# KiCad board Sound_Detection Bullet Shot.kicad_pcb
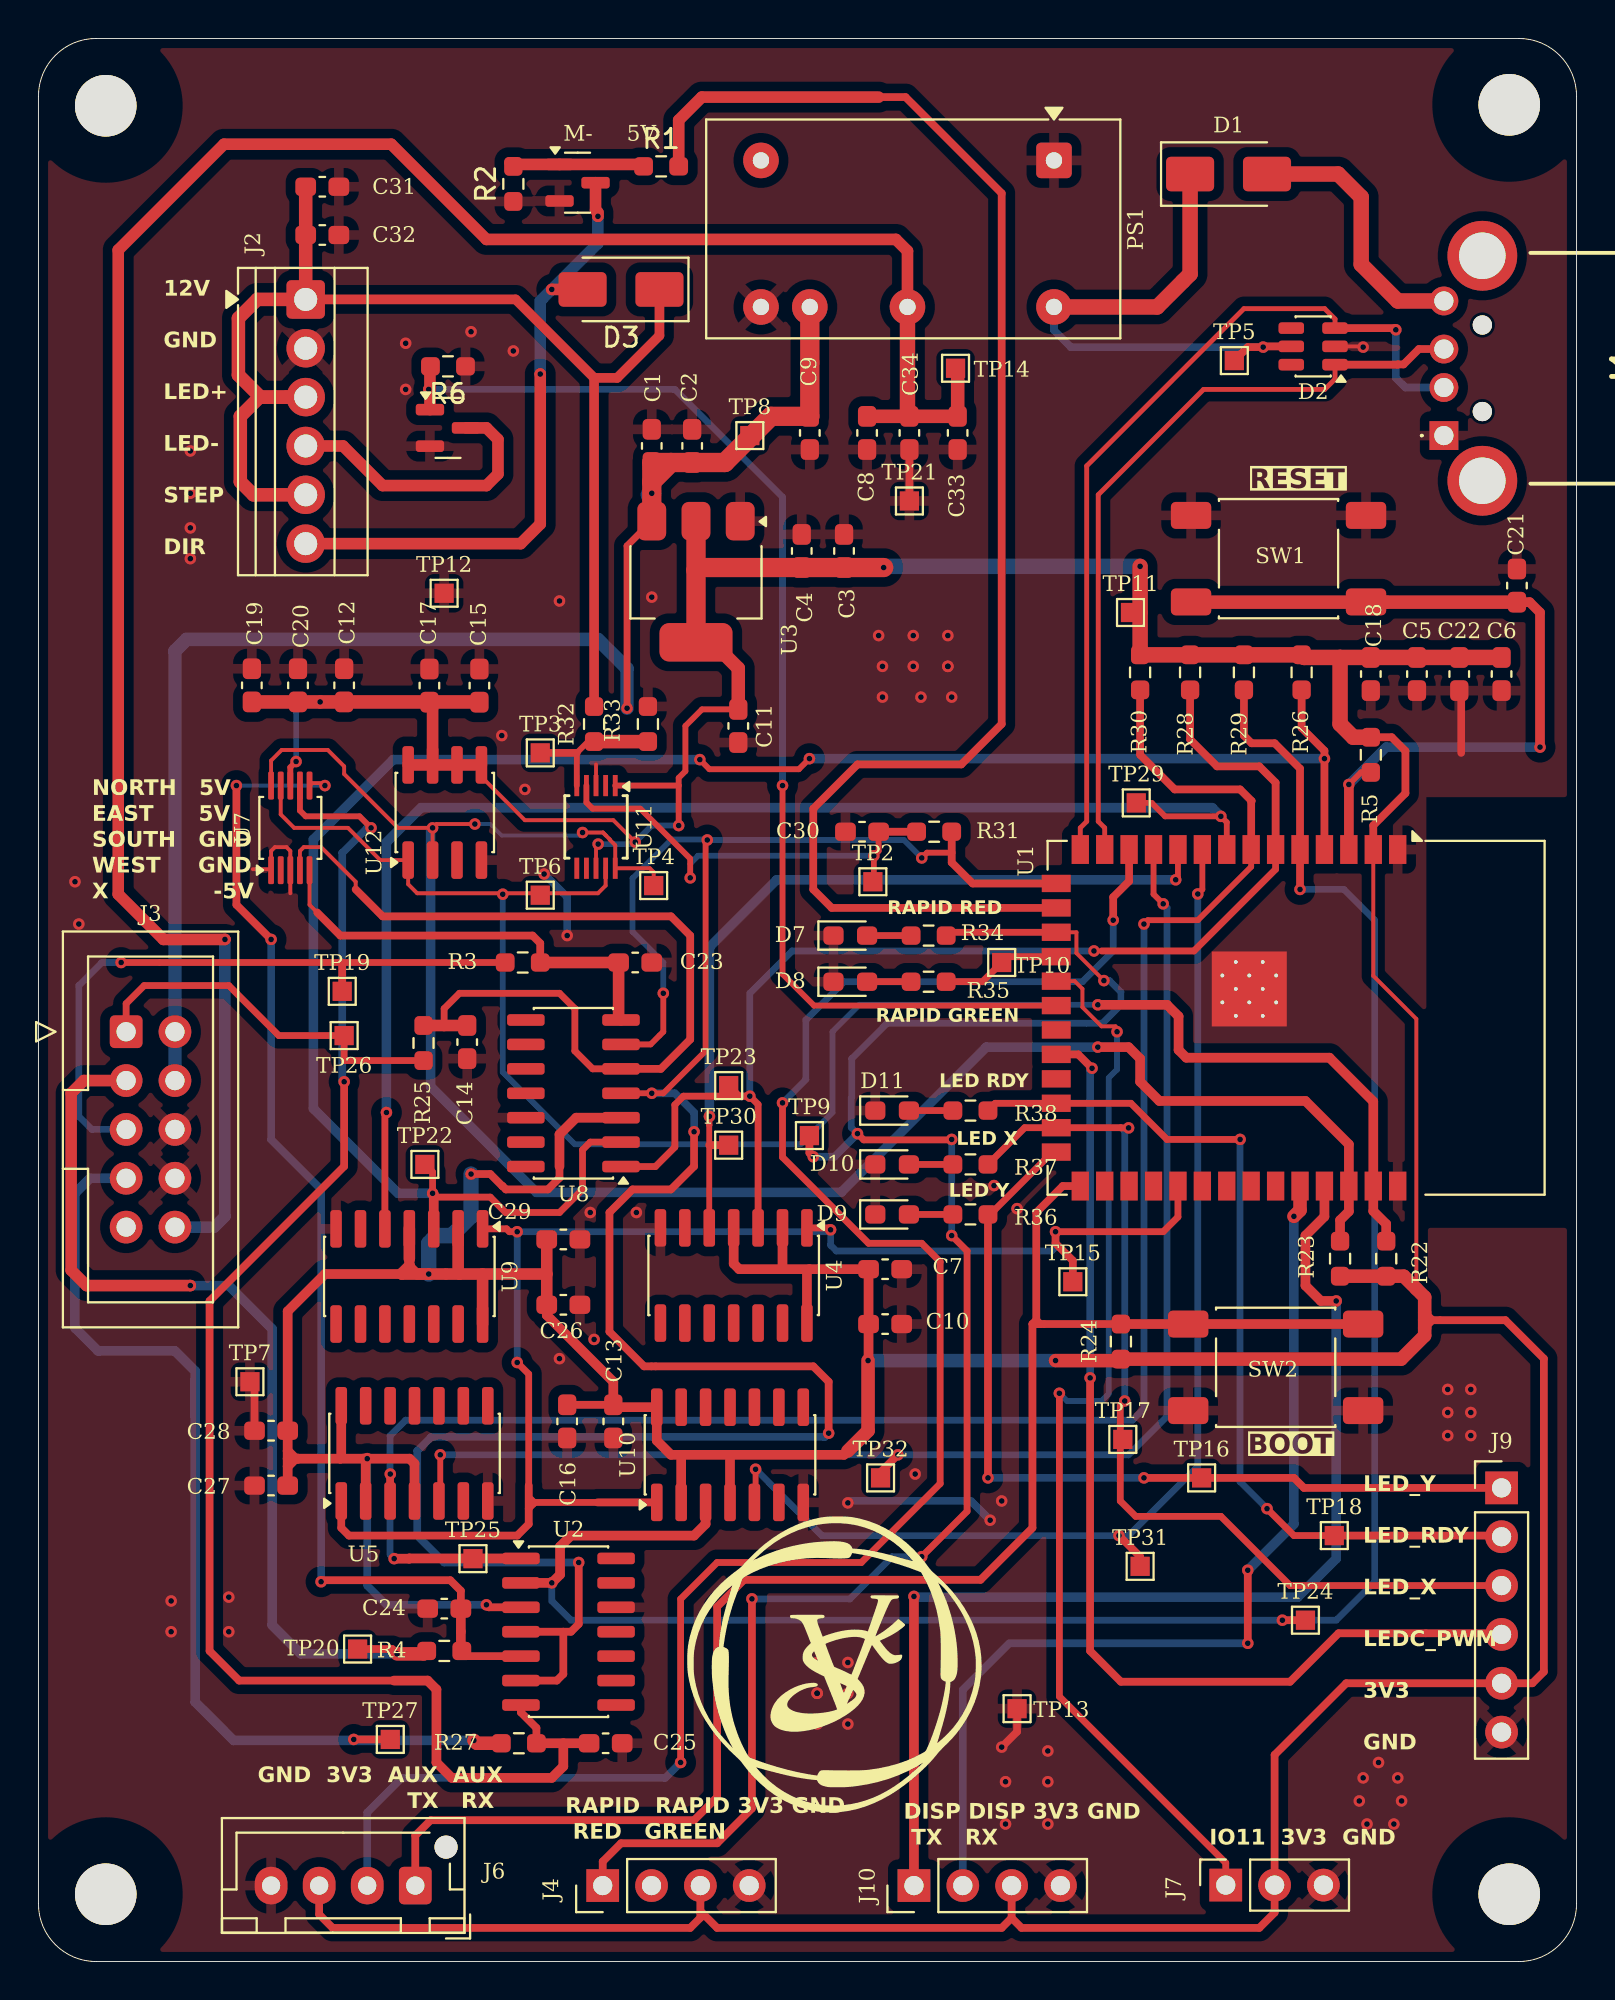
[diagram p0: board, top side]
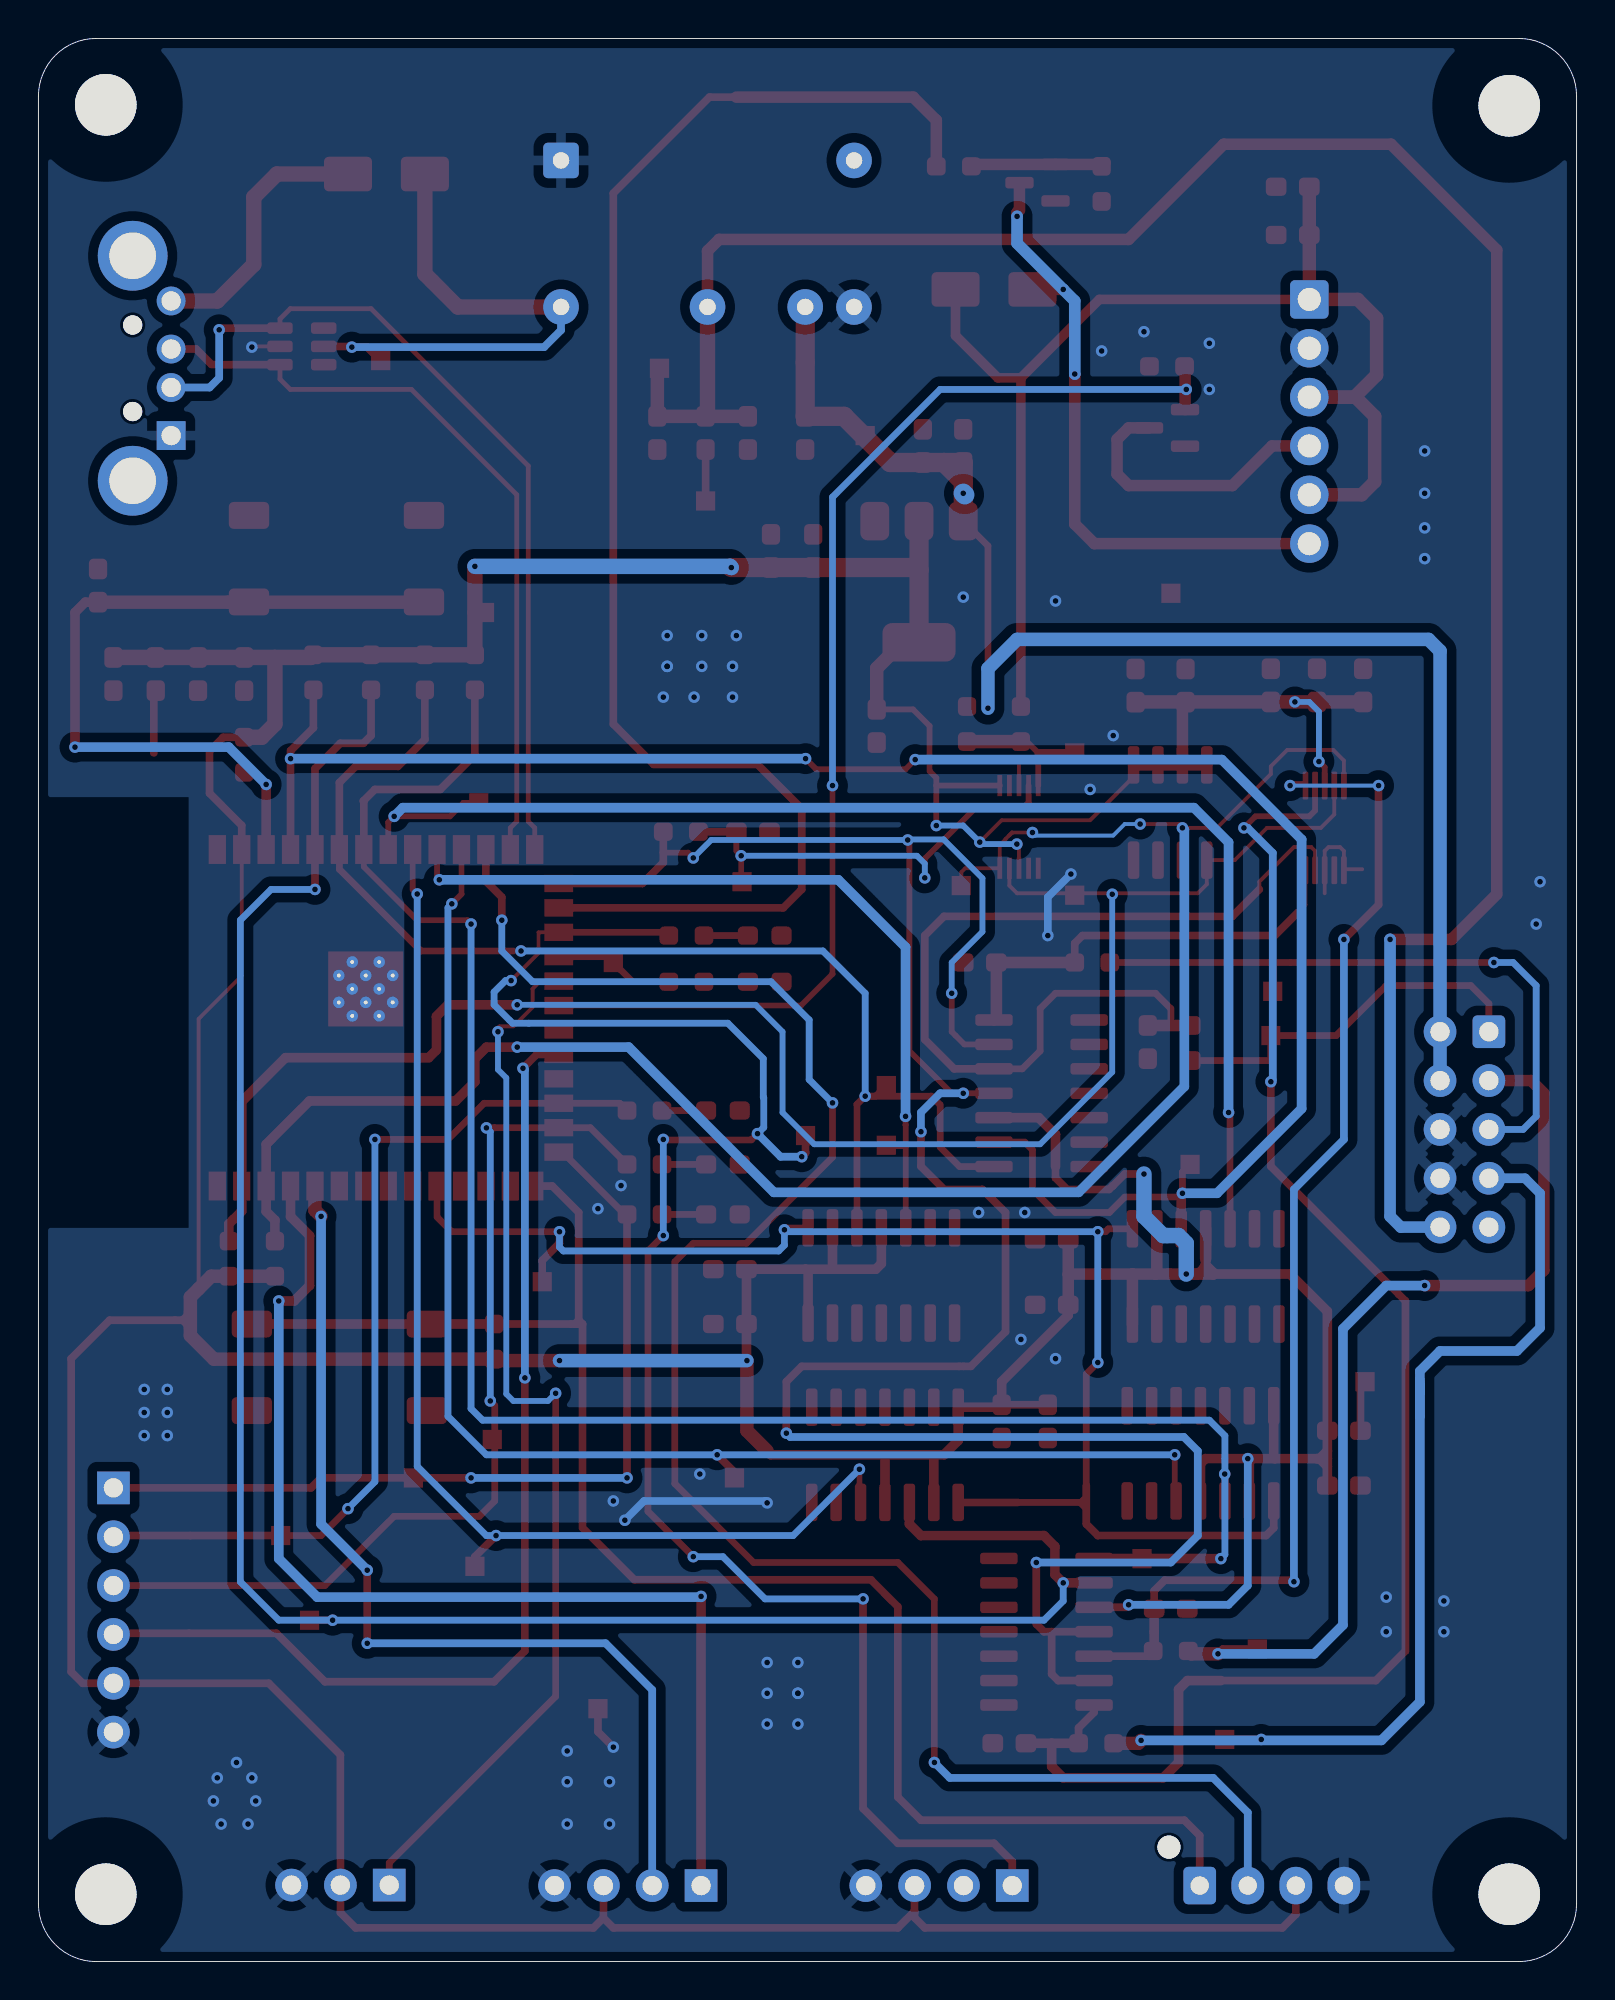
[diagram p1: board, bottom side, seen from below]

Outline 80 x 100 mm; copper layers: Top, Bottom. Coordinates in mm from the lower left corner of the outline.
Outline path: 0,97 arc(0.88,99.12) 3,100 77,100 arc(79.12,99.12) 80,97 80,3 arc(79.12,0.88) 77,0 3,0 arc(0.88,0.88) 0,3 0,97
Stack: Top 0.035mm / dielectric 1.51mm FR4 er 4.5 / Bottom 0.035mm

## Placement (name value [footprint] x y rotation side)
C1  0.1uf  [C_0603_1608Metric_Pad1.08x0.95mm_HandSolder]  31.9 78.81 90 top
C2  10uf  [C_0603_1608Metric_Pad1.08x0.95mm_HandSolder]  34 78.81 90 top
C3  22uf  [C_0603_1608Metric_Pad1.08x0.95mm_HandSolder]  41.9 73.35 90 top
C4  0.1uf  [C_0603_1608Metric_Pad1.08x0.95mm_HandSolder]  39.7 73.35 90 top
C5  10uf  [C_0603_1608Metric_Pad1.08x0.95mm_HandSolder]  71.7 66.95 270 top
C6  0.1uf  [C_0603_1608Metric_Pad1.08x0.95mm_HandSolder]  76.1 66.95 270 top
C7  22uf  [C_0603_1608Metric_Pad1.08x0.95mm_HandSolder]  44.04 36 0 top
C8  10uf  [C_0603_1608Metric_Pad1.08x0.95mm_HandSolder]  43.1 79.49 90 top
C9  10uf  [C_0603_1608Metric_Pad1.08x0.95mm_HandSolder]  40.12 79.49 90 top
C10  0.1uf  [C_0603_1608Metric_Pad1.08x0.95mm_HandSolder]  44.04 33.15 0 top
C11  10uf  [C_0603_1608Metric_Pad1.08x0.95mm_HandSolder]  36.4 64.25 270 top
C12  0.1uf  [C_0603_1608Metric_Pad1.08x0.95mm_HandSolder]  15.9 66.36 90 top
C13  22uf  [C_0603_1608Metric_Pad1.08x0.95mm_HandSolder]  29.9 28.09 270 top
C14  10nf  [C_0603_1608Metric_Pad1.08x0.95mm_HandSolder]  22.3 47.81 90 top
C15  10uf  [C_0603_1608Metric_Pad1.08x0.95mm_HandSolder]  22.93 66.35 90 top
C16  0.1uf  [C_0603_1608Metric_Pad1.08x0.95mm_HandSolder]  27.5 28.09 270 top
C17  0.1uf  [C_0603_1608Metric_Pad1.08x0.95mm_HandSolder]  20.34 66.35 90 top
C18  22uf  [C_0603_1608Metric_Pad1.08x0.95mm_HandSolder]  69.3 66.95 270 top
C19  10uf  [C_0603_1608Metric_Pad1.08x0.95mm_HandSolder]  11.1 66.36 90 top
C20  0.1uf  [C_0603_1608Metric_Pad1.08x0.95mm_HandSolder]  13.5 66.36 90 top
C21  0.1uf  [C_0603_1608Metric_Pad1.08x0.95mm_HandSolder]  76.9 71.55 90 top
C22  0.1uf  [C_0603_1608Metric_Pad1.08x0.95mm_HandSolder]  73.9 66.95 270 top
C23  10nf  [C_0603_1608Metric_Pad1.08x0.95mm_HandSolder]  31.04 51.95 180 top
C24  10nf  [C_0603_1608Metric_Pad1.08x0.95mm_HandSolder]  21.11 18.35 0 top
C25  10nf  [C_0603_1608Metric_Pad1.08x0.95mm_HandSolder]  29.5 11.35 180 top
C26  22uf  [C_0603_1608Metric_Pad1.08x0.95mm_HandSolder]  27.3 34.15 0 top
C27  0.1uf  [C_0603_1608Metric_Pad1.08x0.95mm_HandSolder]  12.1 24.75 180 top
C28  22uf  [C_0603_1608Metric_Pad1.08x0.95mm_HandSolder]  12.1 27.6 180 top
C29  0.1uf  [C_0603_1608Metric_Pad1.08x0.95mm_HandSolder]  27.3 37.55 0 top
C30  10nf  [C_0603_1608Metric_Pad1.08x0.95mm_HandSolder]  42.84 58.75 0 top
C31  10uf  [C_0603_1608Metric_Pad1.08x0.95mm_HandSolder]  14.76 92.29 0 top
C32  0.1uf  [C_0603_1608Metric_Pad1.08x0.95mm_HandSolder]  14.76 89.78 0 top
C33  22uf  [C_0603_1608Metric_Pad1.08x0.95mm_HandSolder]  47.81 79.49 270 top
C34  0.1uf  [C_0603_1608Metric_Pad1.08x0.95mm_HandSolder]  45.3 79.49 270 top
D1  SS14  [D_SMA]  61.9 92.95 0 top
D2  SRV05-4  [TSOT-23-6]  66.3 83.99 180 top
D3  SS14  [D_SMA]  30.3 86.95 180 top
D7  RED_LED  [LED_0603_1608Metric_Pad1.05x0.95mm_HandSolder]  42.23 53.35 0 top
D8  GREEN_LED  [LED_0603_1608Metric_Pad1.05x0.95mm_HandSolder]  42.23 50.95 0 top
D9  WHITE_LED  [LED_0603_1608Metric_Pad1.05x0.95mm_HandSolder]  44.4 38.85 0 top
D10  RED_LED  [LED_0603_1608Metric_Pad1.05x0.95mm_HandSolder]  44.4 41.45 0 top
D11  GREEN_LED  [LED_0603_1608Metric_Pad1.05x0.95mm_HandSolder]  44.4 44.25 0 top
G***  -  [LOGO]  41.4 15.66 0 top
H1  MountingHole  [MountingHole_3.2mm_M3]  76.5 96.55 0 top
H2  MountingHole  [MountingHole_3.2mm_M3]  3.5 96.5 0 top
H3  MountingHole  [MountingHole_3.2mm_M3]  3.5 3.5 0 top
H4  MountingHole  [MountingHole_3.2mm_M3]  76.5 3.5 0 top
J1  UP2-AH-4-TH  [UP2AH4TH]  73.1 79.35 90 top
J2  Conn_01x06_Socket  [TerminalBlock_Xinya_XY308-2.54-6P_1x06_P2.54mm_Horizontal]  13.9 86.43 270 top
J3  Conn_02x05_Top_Bottom  [IDC-Header_2x05_P2.54mm_Vertical]  4.56 48.35 0 top
J4  Conn_01x04_Socket  [PinHeader_1x04_P2.54mm_Vertical]  29.35 3.95 90 top
J6  Conn_01x04_Socket  [JST_XH_B4B-XH-AM_1x04_P2.50mm_Vertical]  19.6 3.95 180 top
J7  Conn_01x03_Socket  [PinSocket_1x03_P2.54mm_Vertical]  61.76 3.97 90 top
J9  Conn_01x06_Socket  [PinHeader_1x06_P2.54mm_Vertical]  76.1 24.63 0 top
J10  Conn_01x04_Socket  [PinHeader_1x04_P2.54mm_Vertical]  45.54 3.95 90 top
PS1  IA0505D  [Converter_DCDC_XP_POWER-IAxxxxD_THT]  52.82 93.66 270 top
Q1  AO3400  [SOT-23]  28.04 92.5 0 top
Q2  AO3400  [SOT-23]  21.3 79.75 0 top
R1  100R  [R_0603_1608Metric_Pad0.98x0.95mm_HandSolder]  32.39 93.35 0 top
R2  10K  [R_0603_1608Metric_Pad0.98x0.95mm_HandSolder]  24.7 92.44 90 top
R3  10k  [R_0603_1608Metric_Pad0.98x0.95mm_HandSolder]  25.19 51.95 0 top
R4  10k  [R_0603_1608Metric_Pad0.98x0.95mm_HandSolder]  21.11 16.15 0 top
R5  10K  [R_0603_1608Metric_Pad0.98x0.95mm_HandSolder]  69.3 62.75 270 top
R6  10K  [R_0603_1608Metric_Pad0.98x0.95mm_HandSolder]  21.3 82.95 180 top
R22  4.7K  [R_0603_1608Metric_Pad0.98x0.95mm_HandSolder]  70.1 36.55 270 top
R23  4.7K  [R_0603_1608Metric_Pad0.98x0.95mm_HandSolder]  67.7 36.55 270 top
R24  10K  [R_0603_1608Metric_Pad0.98x0.95mm_HandSolder]  56.3 32.24 270 top
R25  10k  [R_0603_1608Metric_Pad0.98x0.95mm_HandSolder]  20.03 47.76 90 top
R26  10k  [R_0603_1608Metric_Pad0.98x0.95mm_HandSolder]  65.7 67.04 90 top
R27  10k  [R_0603_1608Metric_Pad0.98x0.95mm_HandSolder]  24.99 11.35 0 top
R28  10k  [R_0603_1608Metric_Pad0.98x0.95mm_HandSolder]  59.9 67.04 90 top
R29  10k  [R_0603_1608Metric_Pad0.98x0.95mm_HandSolder]  62.7 67.04 90 top
R30  10k  [R_0603_1608Metric_Pad0.98x0.95mm_HandSolder]  57.3 67.04 90 top
R31  10k  [R_0603_1608Metric_Pad0.98x0.95mm_HandSolder]  46.59 58.75 180 top
R32  10K  [R_0603_1608Metric_Pad0.98x0.95mm_HandSolder]  28.9 64.35 90 top
R33  2K2  [R_0603_1608Metric_Pad0.98x0.95mm_HandSolder]  31.7 64.35 270 top
R34  330R  [R_0603_1608Metric_Pad0.98x0.95mm_HandSolder]  46.3 53.35 0 top
R35  330R  [R_0603_1608Metric_Pad0.98x0.95mm_HandSolder]  46.3 50.95 0 top
R36  330R  [R_0603_1608Metric_Pad0.98x0.95mm_HandSolder]  48.48 38.85 0 top
R37  330R  [R_0603_1608Metric_Pad0.98x0.95mm_HandSolder]  48.48 41.45 0 top
R38  330R  [R_0603_1608Metric_Pad0.98x0.95mm_HandSolder]  48.48 44.25 0 top
SW1  RESET  [SW_Push_1P1T_NO_E-Switch_TL3301NxxxxxG]  64.5 72.95 0 top
SW2  RESET  [SW_Push_1P1T_NO_E-Switch_TL3301NxxxxxG]  64.35 30.9 180 top
TP2  5V  [TestPoint_Pad_1.0x1.0mm]  43.4 56.15 0 top
TP3  5V  [TestPoint_Pad_1.0x1.0mm]  26.1 62.85 0 top
TP4  5V  [TestPoint_Pad_1.0x1.0mm]  32 55.95 0 top
TP5  USB_5V  [TestPoint_Pad_1.0x1.0mm]  62.2 83.25 0 top
TP6  5V  [TestPoint_Pad_1.0x1.0mm]  26.1 55.45 0 top
TP7  5V  [TestPoint_Pad_1.0x1.0mm]  11 30.15 0 top
TP8  5V  [TestPoint_Pad_1.0x1.0mm]  37 79.35 0 top
TP9  5V  [TestPoint_Pad_1.0x1.0mm]  40.1 42.95 0 top
TP10  5V  [TestPoint_Pad_1.0x1.0mm]  50.1 51.95 0 top
TP11  5V  [TestPoint_Pad_1.0x1.0mm]  56.8 70.15 0 top
TP12  5V  [TestPoint_Pad_1.0x1.0mm]  21.1 71.15 0 top
TP13  5V  [TestPoint_Pad_1.0x1.0mm]  50.9 13.15 0 top
TP14  5V  [TestPoint_Pad_1.0x1.0mm]  47.7 82.85 0 top
TP15  5V  [TestPoint_Pad_1.0x1.0mm]  53.8 35.35 0 top
TP16  5V  [TestPoint_Pad_1.0x1.0mm]  60.5 25.15 0 top
TP17  5V  [TestPoint_Pad_1.0x1.0mm]  56.4 27.15 0 top
TP18  5V  [TestPoint_Pad_1.0x1.0mm]  67.4 22.15 0 top
TP19  5V  [TestPoint_Pad_1.0x1.0mm]  15.8 50.45 0 top
TP20  5V  [TestPoint_Pad_1.0x1.0mm]  16.6 16.25 0 top
TP21  5V  [TestPoint_Pad_1.0x1.0mm]  45.3 75.95 0 top
TP22  5V  [TestPoint_Pad_1.0x1.0mm]  20.1 41.45 0 top
TP23  5V  [TestPoint_Pad_1.0x1.0mm]  35.9 45.55 0 top
TP24  5V  [TestPoint_Pad_1.0x1.0mm]  65.9 17.75 0 top
TP25  5V  [TestPoint_Pad_1.0x1.0mm]  22.6 20.95 0 top
TP26  5V  [TestPoint_Pad_1.0x1.0mm]  15.9 48.15 0 top
TP27  5V  [TestPoint_Pad_1.0x1.0mm]  18.3 11.55 0 top
TP29  5V  [TestPoint_Pad_1.0x1.0mm]  57.1 60.25 0 top
TP30  5V  [TestPoint_Pad_1.0x1.0mm]  35.9 42.45 0 top
TP31  5V  [TestPoint_Pad_1.0x1.0mm]  57.3 20.55 0 top
TP32  5V  [TestPoint_Pad_1.0x1.0mm]  43.8 25.15 0 top
U1  -  [ESP32-S3-WROOM-1]  65.44 49.08 270 top
U2  LM339  [SOIC-14_3.9x8.7mm_P1.27mm]  27.57 17.15 0 top
U3  LDL1117S33R  [SOT-223-3_TabPin2]  34.2 71.75 270 top
U4  74HC74  [SOIC-14_3.9x8.7mm_P1.27mm]  36.16 35.67 270 top
U5  74HC74  [SOIC-14_3.9x8.7mm_P1.27mm]  19.56 26.42 90 top
U7  ADS1115IDGS  [VSSOP-10_3x3mm_P0.5mm]  13.1 58.95 90 top
U8  LM339  [SOIC-14_3.9x8.7mm_P1.27mm]  27.82 45.15 180 top
U9  74HC74  [SOIC-14_3.9x8.7mm_P1.27mm]  19.29 35.62 270 top
U10  74HC74  [SOIC-14_3.9x8.7mm_P1.27mm]  35.97 26.35 90 top
U11  ADS1115IDGS  [TSSOP-10_3x3mm_P0.5mm]  29 59 270 top
U12  LM75B  [SOIC-8_3.9x4.9mm_P1.27mm]  21.13 59.75 90 top

## Library data of the parts
C1 C4 C6 C10 C12 C16 C17 C20-C22 C27 C29 C32 C34 = -: Description: Unpolarized capacitor; Vendors: https://robu.in/product/0-1uf-capacitor-smdc-0603/; ki_fp_filters: C_*
C2 C5 C8 C9 C11 C15 C19 C31 = -: Description: Unpolarized capacitor; Vendors: https://www.google.com/aclk?sa=L&ai=DChsSEwj1-9DAsNmTAxW1qGYCHVt0NP0YACICCAEQCRoCc20&co=1&ase=2&gclid=Cj0KCQjws83OBhD4ARIsACblj1-bpLqs6bvNNkZthVspH292A_In_p40kxXNOqTt3wRWbqJOH_7rNygaAs5DEALw_wcB&cid=CAAS9QHkaBPLeDWVndMUPqgorIq3apT8hn-5CuYOUOVSeL_PVCuQmxgW83xLRe8pR8Q7KYbpiy0Uri3Wz0LBI1fUkwag3DRuaGH19GcTzjwJTXFOY6HPqbX0qYy3AzTunbusMqRHSFlYHyR6XdfgzU0pi9kIc5Roc_L3c7MIe8Lo3wo5sJ0B7Xcokn0_oQiK0a8FEEIybXLw_X-pqwM85xf5de8W6F60b51y7EI695DrCPM204_lWqCx_d6FRdqIKiKYXVVUbEiS21buv9XXmtc09xSC86t6oYTX3JG7lyKa-5LnMNQ1beBFLZFMzkboPS_uWY8zuva0Iw&cce=2&category=acrcp_v1_32&sig=AOD64_206f7Ib6kjTm4eJ9tGIPqtH1bgoQ&ctype=5&q=&nis=4&ved=2ahUKEwirp8LAsNmTAxXd1zgGHWk7A54Q5bgDKAB6BAgJEBA&adurl=; ki_fp_filters: C_*
C3 C7 C13 C18 C26 C28 C33 = -: Description: Unpolarized capacitor; Vendors: https://www.google.com/aclk?sa=L&ai=DChsSEwj1-9DAsNmTAxW1qGYCHVt0NP0YACICCAEQCBoCc20&co=1&ase=2&gclid=Cj0KCQjws83OBhD4ARIsACblj1_hh_-vGObAqvuWDzlVjQQw3zLoIXcmNPIpVIyb4ZkHZWxp8X4mP_MaApiREALw_wcB&cid=CAAS9QHkaBPLeDWVndMUPqgorIq3apT8hn-5CuYOUOVSeL_PVCuQmxgW83xLRe8pR8Q7KYbpiy0Uri3Wz0LBI1fUkwag3DRuaGH19GcTzjwJTXFOY6HPqbX0qYy3AzTunbusMqRHSFlYHyR6XdfgzU0pi9kIc5Roc_L3c7MIe8Lo3wo5sJ0B7Xcokn0_oQiK0a8FEEIybXLw_X-pqwM85xf5de8W6F60b51y7EI695DrCPM204_lWqCx_d6FRdqIKiKYXVVUbEiS21buv9XXmtc09xSC86t6oYTX3JG7lyKa-5LnMNQ1beBFLZFMzkboPS_uWY8zuva0Iw&cce=2&category=acrcp_v1_32&sig=AOD64_3tV5aL4-GbcA-qSlLuyI0wbCgMhg&ctype=5&q=&nis=4&ved=2ahUKEwirp8LAsNmTAxXd1zgGHWk7A54Q5bgDKAB6BAgJEBo&adurl=; ki_fp_filters: C_*
C14 C23-C25 C30 = -: Description: Unpolarized capacitor; Vendors: https://robu.in/product/tcc0603x7r103m500ct-cctc-smt-ceramic-capacitors-0603-x7r-103m10nf%C2%B120-rated-voltage50v-thickness0-80mm-tape/?gad_source=1&gad_campaignid=17427802703&gbraid=0AAAAADvLFWf-PRMRiFDA3RBzSYiPn-luu&gclid=Cj0KCQjws83OBhD4ARIsACblj181E6E8N5HeDQvLKIXSkIxan8RrA4yvkxQ8BdnWEzPK-HX8Y3BYtaoaAmHMEALw_wcB; ki_fp_filters: C_*
D1 D3 = -: Datasheet: https://www.tme.eu/Document/39e1c2d2c354f63d74e9a2edb2156b4b/SS14-E3_61T.pdf; Description: SMA Schottky diode, 40V, 1A, Alternate KiCAD Library; Vendors: https://robu.in/product/ss14-slkor-40v-550mv1a-1a-smado-214ac-schottky-diodes-rohs/; ki_fp_filters: TO-???* *_Diode_* *SingleDiode* D_*
D2 = -: Datasheet: https://www.tme.eu/Document/92be68a8ae546e7ce666ecbdb0470493/SRV05-4.pdf; Description: SOT-23-6 TVS Diode Array, 4 protected lines, 5V, 300W, Alternate KiCAD Library; Vendors: https://robu.in/product/srv05-4-slkor-150w-6v-unidirectional-5v-sot-23-6l-esd-and-surge-protection-tvs-esd-rohs/; ki_fp_filters: TO-???* *_Diode_* *SingleDiode* D_*
D7 D10 = -: Description: Light emitting diode; Sim.Pins: 1=K 2=A; Vendors: https://www.google.com/aclk?sa=L&ai=DChsSEwiBjM-3r9mTAxU3omYCHVtnDxYYACICCAEQCRoCc20&co=1&ase=2&gclid=Cj0KCQjws83OBhD4ARIsACblj1-rejOzgHP9dlQqqfia2h0DDIs2pUsuOfakyEV5E6gwfJS85yn2q60aApMxEALw_wcB&cid=CAAS0gHkaG1TZVhahYIwROYRfGTH0XJs2KE54sSIIvlsUi7Rcm1-Z4DunegO3HWBqBqlRVvwVfi0MyjJGtMA-vj2mtWeTxR3GmbMR9iW8gl5kBBIulsszBD35AwVoX1TwI0wajIdg_rQftSELpYeEWOuuP4FjlIARvkx-KLYz47qjgpnNQpFLRzkctrWrCvDAym9HsKbfuuvh3W3nHq497e8o17Pcz1aJ9oXSYohCTQfrpM0ekUH-7JTeW9fwWAXujxj7r8KwTIY_E0G2FE8UytwTqZUX3Q&cce=2&category=acrcp_v1_32&sig=AOD64_0yS8YO2_x4E9I030EEcBi5f3T5VQ&ctype=5&q=&nis=4&ved=2ahUKEwiDwMK3r9mTAxVEwjgGHVucJ4oQ5bgDKAB6BAgNEBU&adurl=; ki_fp_filters: LED* LED_SMD:* LED_THT:*
D8 D11 = -: Description: Light emitting diode; Sim.Pins: 1=K 2=A; Vendors: https://www.google.com/aclk?sa=L&ai=DChsSEwjU4ofor9mTAxUIkmYCHXTWCCMYACICCAEQDRoCc20&co=1&ase=2&gclid=Cj0KCQjws83OBhD4ARIsACblj19pznB-cp1r4JjDgPG91sdOe2CXI4vMXEzlSCYNdZZmTXQm1TThL50aAuCXEALw_wcB&cid=CAAS9QHkaMf0SgUhV2yTDYWs5VGG0SB5Uu_4sVjsQRFpDafAhuCEEe7ap5Dtwt5aeqVK8u39UWAlz9ZCfOmCmw0jutbkmaV418hU8BMP0Gb8eoMGK5IaiMkjtDVUsQYwxx3JkfRXd3b1ZwdJqXb3D8ozBrmmUhD4vV7XIjRVYE2lcXPmLrp18q82lW2J5hBr4tNqsOrLnJ_YatunNt2LmPsM0hdMBsj94e1wIDsDZpZCy-1KrNj2JEVOMV6PLPM0g4yAAlmOch7560iNArEmx5zQQXXdS1dV1q9o3CtOUxh6zIB7EYmKrdELqeYWJMcT_SrajKVr0pUwgA&cce=2&category=acrcp_v1_32&sig=AOD64_14ichpB1u4qCtyuzAPlgFzo3D8rA&ctype=5&q=&nis=4&ved=2ahUKEwi-gfnnr9mTAxVrnmMGHe7CBH8Q5bgDKAB6BAgHEAs&adurl=; ki_fp_filters: LED* LED_SMD:* LED_THT:*
D9 = -: Description: Light emitting diode; Sim.Pins: 1=K 2=A; Vendors: https://www.google.com/aclk?sa=L&ai=DChsSEwjmwfSQsNmTAxUQMIMDHVVuMZEYACICCAEQDBoCc2Y&co=1&ase=2&gclid=Cj0KCQjws83OBhD4ARIsACblj1_R5f8bz8fhSWPcymwndUqlxZGb7KixaSUnaI6JC5LYH7IV2-dqAPgaAhAnEALw_wcB&cid=CAAS9QHkaJ4HM7O6aAqhdtAcyHuba44LNLt6CzGBm_dQ3QSun1QlgyRgf0Wf2hOYC31i-HmR5ULgpZEToNMTTcs-0ILfnGzEnJr-cfycDCu2w2oa-yALAKxHZB-GilEMJ61ADrvPKM0F1HDoFtZzR0zNxYKVeKPuDR5PzZLYu_Axa7o4qrMdgzCv1NcQPFKcP6Hpoxl1FyJmjgRH40Q_oXLdm5f1t3oT1BsaKQrM-Fn9H6DUuARSYlrnSLJlPHkNXcjy8gx2yNoyNIYf3lljCqPEPHLHDpDikYq3lOAiJ7WJU-B-8XXNFVBBDsIu9r3zhFg0CPyDthb03A&cce=2&category=acrcp_v1_32&sig=AOD64_1E0Jxs3C2WsILbugTHmhl54-JBGg&ctype=5&q=&nis=4&ved=2ahUKEwiz2OmQsNmTAxXjzjgGHe87GLkQ5bgDKAB6BAgHEB8&adurl=; ki_fp_filters: LED* LED_SMD:* LED_THT:*
H1-H4 = -: Description: Mounting Hole without connection; ki_fp_filters: MountingHole*
J1 = -: Datasheet: https://www.sameskydevices.com/product/resource/UP2-AH-4-TH.pdf; Description: UP2-AH-4-TH - Type A, USB 2.0, 480 Mbps, 30 Vac, 1 A, Right Angle, Through Hole Mounting Style, Through Hole Contact Pin Type, 30 in Plating Thickness, Black Insulator, USB Plug; Height: 4.55; Manufacturer_Name: Same Sky; Mouser Part Number: 490-UP2-AH-4-TH; Mouser Price/Stock: https://www.mouser.co.uk/ProductDetail/CUI-Devices/UP2-AH-4-TH?qs=5mqXD9RfOg2wG7x6fKnVVw%3D%3D; Arrow Price/Stock: https://www.arrow.com/en/products/up2-ah-4-th/cui-devices?utm_currency=USD&region=nac
J2 = -: Description: Generic connector, single row, 01x06, script generated; Vendors: https://sharvielectronics.com/product/rs120-2-54-6-pin-screw-terminal-block-2-54mm-pitch/?srsltid=AfmBOooM1LLEITDcN2c9fo-K0MGwfWxEmqQlX0rZKMwLLLhHsnl7BMCe; ki_fp_filters: Connector*:*_1x??_*
J3 = -: Description: Generic connector, double row, 02x05, top/bottom pin numbering scheme (row 1: 1...pins_per_row, row2: pins_per_row+1 ... num_pins), script generated (kicad-library-utils/schlib/autogen/connector/); Vendors: https://www.ktron.in/product/10-pin-box-header-5x2pin-male-straight/?v=c86ee0d9d7ed; ki_fp_filters: Connector*:*_2x??_*
J4 J10 = -: Description: Generic connector, single row, 01x04, script generated; Vendors: https://robu.in/product/2-54mm-1x40-pin-male-single-row-straight-short-header-strip-pack-of-3/; ki_fp_filters: Connector*:*_1x??_*
J6 = -: Description: Generic connector, single row, 01x04, script generated; Vendors: https://robu.in/product/4-pin-jst-xh-2-54mm-pitch-plug-and-socket-with-cable-5-pcs/; ki_fp_filters: Connector*:*_1x??_*
J7 = -: Description: Generic connector, single row, 01x03, script generated; Vendors: https://robu.in/product/2-54mm-1x40-pin-male-single-row-straight-short-header-strip-pack-of-3/; ki_fp_filters: Connector*:*_1x??_*
J9 = -: Description: Generic connector, single row, 01x06, script generated; Vendors: https://robu.in/product/2-54mm-1x40-pin-male-single-row-straight-short-header-strip-pack-of-3/; ki_fp_filters: Connector*:*_1x??_*
PS1 = -: Datasheet: https://www.xppower.com/pdfs/SF_IA.pdf; Description: XP Power 1W, 1000 VDC Isolated DC/DC Converter Module, Dual Output Voltage ±5V, ±100mA, 5V Input Voltage, DIP; Vendors: https://in.element14.com/xp-power/ia0505d/converter-dc-dc-1w-5v/dp/8727465; ki_fp_filters: *XP?POWER?IAxxxxD*
Q1 Q2 = -: Datasheet: https://www.tme.eu/Document/7df5cae36abdfcedddb681f5be886f05/2N7000.pdf; Description: SOT-23 N-MOSFET enchancement mode transistor, 60V, 115mA, 200mW, Alternate KiCAD Library; Sim.Device: NPN; Sim.Type: GUMMELPOON; Sim.Pins: 1=C 2=B 3=E; AVAILABILITY: https://robu.in/product/bc847-smd-transistor-pack-of-20/
R1 R2 R6 R34-R38 = -: Description: resistor; Indicator: +; Rating: W; Vendors: https://robu.in/product/330-ohm-1-4w-0603-surface-mount-chip-resistor-pack-of-100/?gad_source=1&gad_campaignid=17427802703&gbraid=0AAAAADvLFWf-PRMRiFDA3RBzSYiPn-luu&gclid=Cj0KCQjws83OBhD4ARIsACblj194YM2_jkWl9kzNsXN7Lf6fJETzhc9HNRRWRG2IRnjdxtkEBVdozhAaAhp_EALw_wcB